# Altium PCB platka.PcbDoc
Units mm, origin at the board's own origin, x right, y up, seen from the top; angles counter-clockwise.
Board outline 155 x 100 mm, 2 copper layers (Top Layer, Bottom Layer), stack 1.98 mm thick; 51 components, 25 nets, 165 pads, 116 vias.
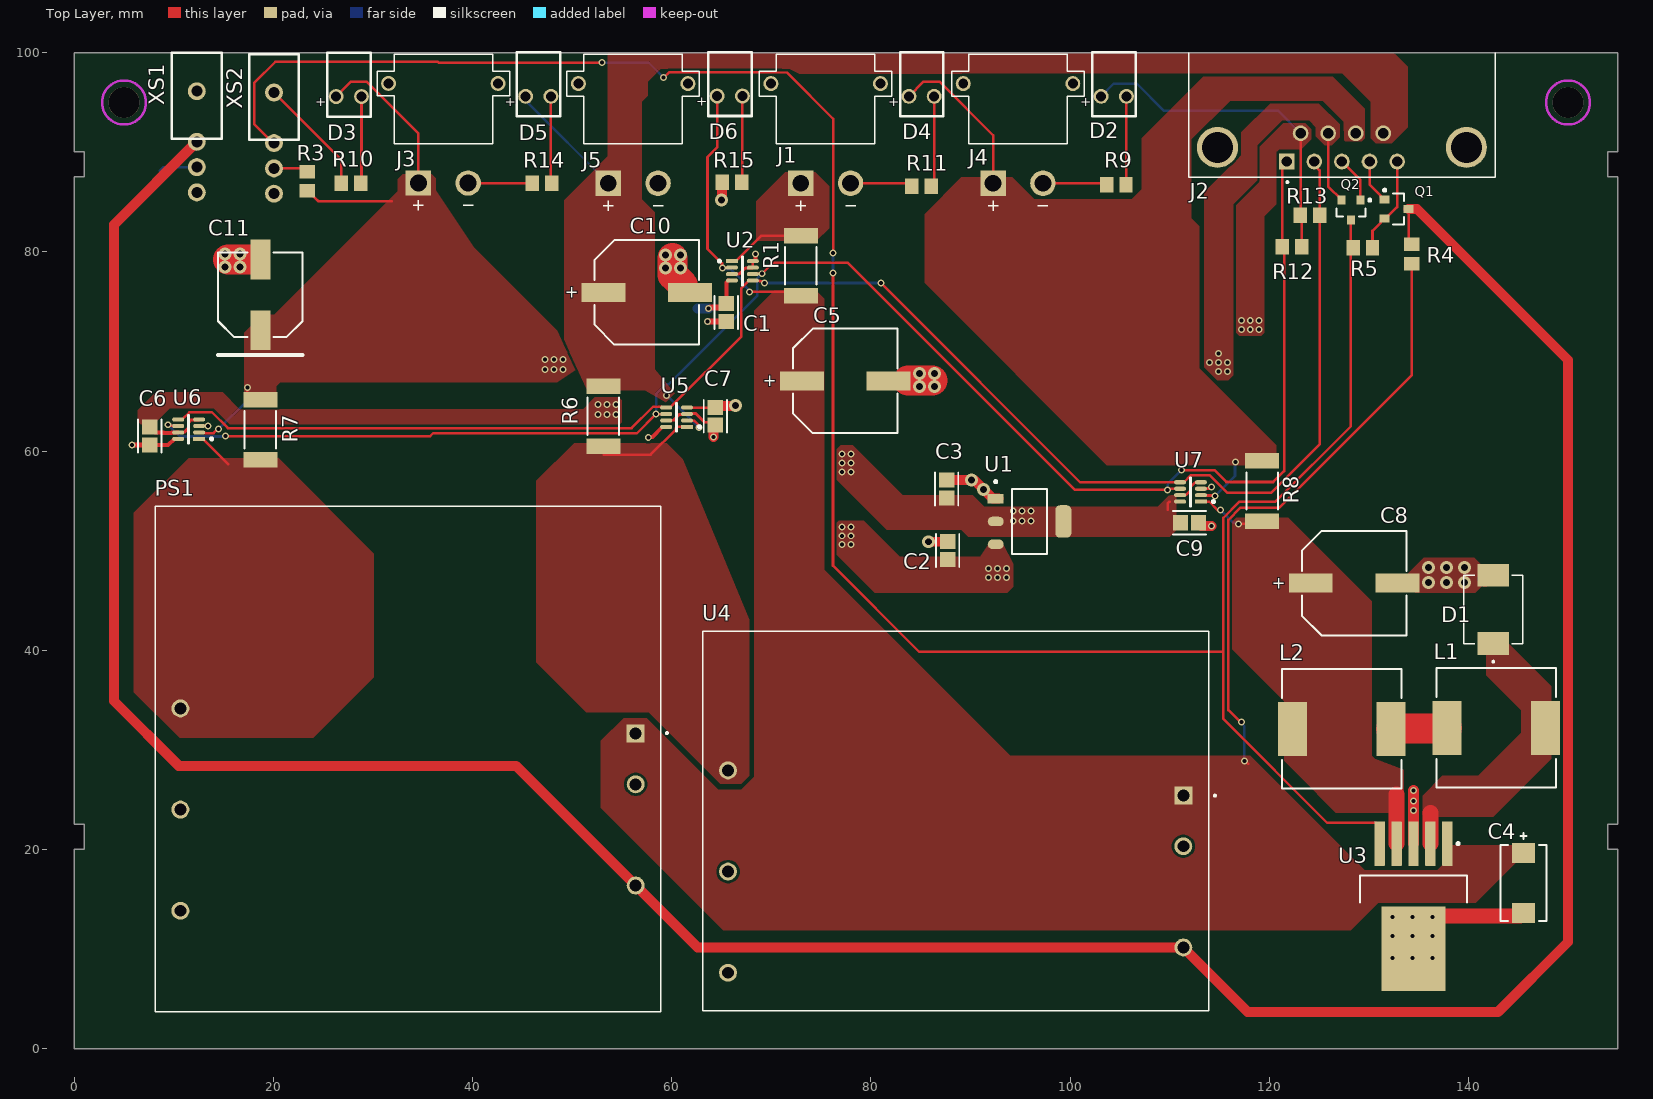
[diagram p0: Top Layer view]
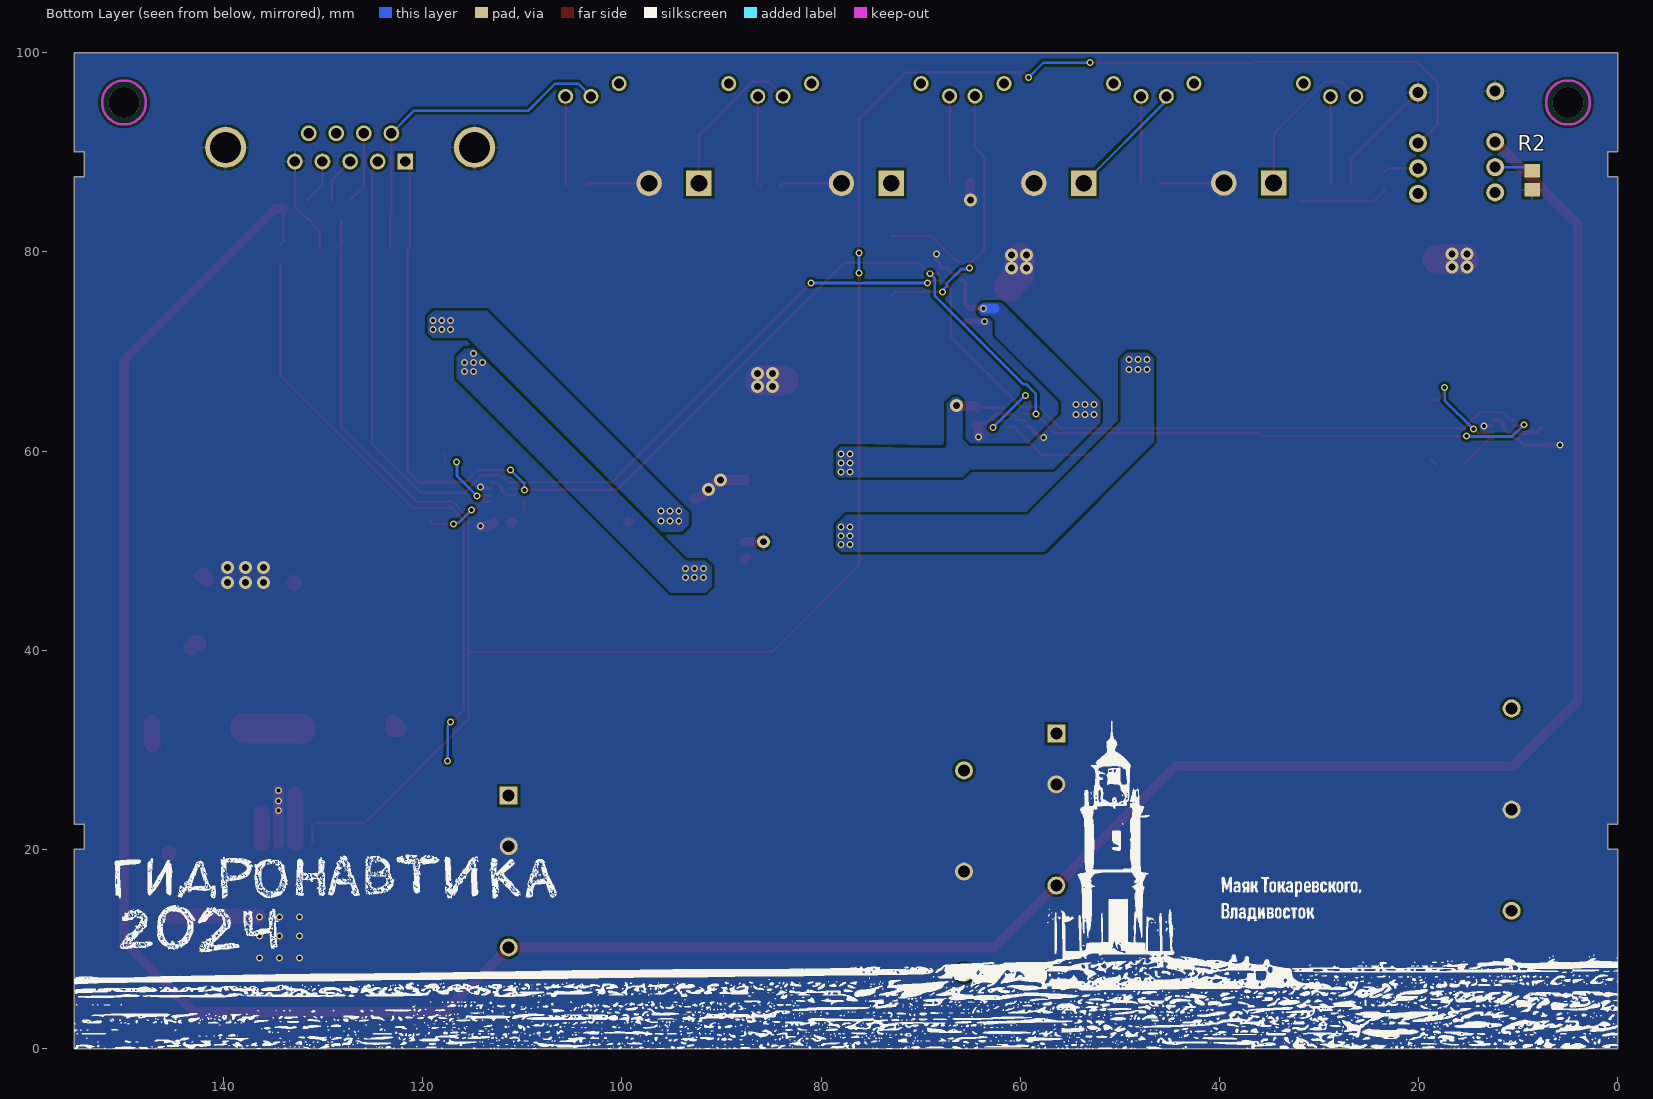
[diagram p1: Bottom Layer view, seen from below]
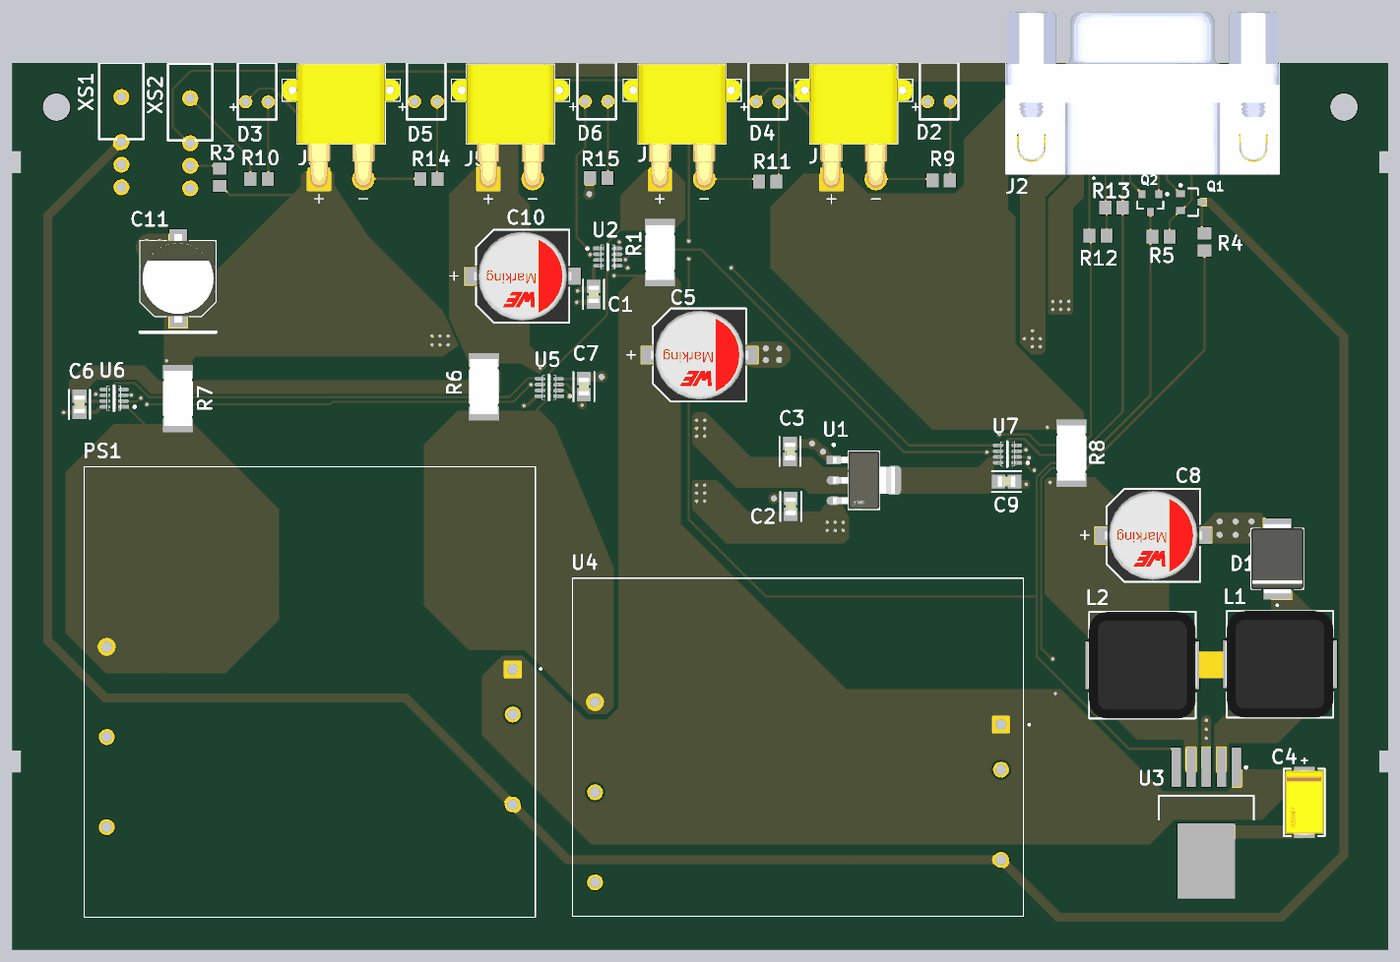
[diagram p2: 3D render of the assembled board from above, using the file's embedded part models]

## Layer stack, top to bottom
Top Solder: solder mask 0.01, Solder Resist, Dk 3.5
Top Layer: signal copper 0.035
Dielectric 1: dielectric 1.91, FR-4, Dk 4.8
Bottom Layer: signal copper 0.035
Bottom Solder: solder mask 0.01, Solder Resist, Dk 3.5

## Board outline
0.006,0.006 0.006,20.006 1.006,20.006 1.006,22.506 0.006,22.506 0.006,87.542 1.006,87.542 1.006,90.042 0.006,90.042 0.006,100.006 155.006,100.006 155.006,90.042 154.006,90.042 154.006,87.542 155.006,87.542 155.006,22.506 154.006,22.506 154.006,20.006 155.006,20.006 155.006,0.006

## Design rules (kind name [scope] priority, off if disabled: settings)
Clearance [All] p1: gap=0.254 ignorepadtopadclearanceinfootprint=FALSE
PlaneConnect PlaneConnect_1 [InNetClass('хуй')] p1: planeconnectstyle=Direct reliefexpansion=0.508 reliefentries=4 reliefconductorwidth=0.254 reliefairgap=0.254
PlaneConnect [All] p2: planeconnectstyle=Relief reliefexpansion=0.508 reliefentries=4 reliefconductorwidth=0.254 reliefairgap=0.254
PolygonConnect PolygonConnect_7 [HasFootprint('CONV_SDM30-12S5')] p1: connectstyle=Direct reliefconductorwidth=0.254 reliefentries=4 polygonreliefangle="90 Angle" airgapwidth=0.254
PolygonConnect PolygonConnect_6 [HasFootprint('CONV_NSD15-12S5')] p2: connectstyle=Direct reliefconductorwidth=0.254 reliefentries=4 polygonreliefangle="90 Angle" airgapwidth=0.254
PolygonConnect [InNetClass('хуй')] p3: connectstyle=Direct reliefconductorwidth=0.254 reliefentries=4 polygonreliefangle="90 Angle" airgapwidth=0.254
PolygonConnect PolygonConnect_4 [HasFootprint('WCAP-ASLL_D10H10.5')] p4: connectstyle=Direct reliefconductorwidth=0.254 reliefentries=4 polygonreliefangle="90 Angle" airgapwidth=0.254
PolygonConnect PolygonConnect_3 [HasFootprint('DIOM6859X262N')] p5: connectstyle=Direct reliefconductorwidth=0.254 reliefentries=4 polygonreliefangle="90 Angle" airgapwidth=0.254
PolygonConnect PolygonConnect_2 [HasFootprint('AMASS_XT30PW-M')] p6: thpad.connectstyle=Direct thpad.reliefconductorwidth=0.254 thpad.reliefentries=4 thpad.polygonreliefangle="90 Angle" thpad.airgapwidth=0.254 smdpad.connectstyle=Direct smdpad.reliefconductorwidth=0.254 smdpad.reliefentries=4 smdpad.polygonreliefangle="90 Angle" smdpad.airgapwidth=0.254 via.connectstyle=Relief via.reliefconductorwidth=0.254 via.reliefentries=4 via.polygonreliefangle="90 Angle" via.airgapwidth=0.254
PolygonConnect PolygonConnect_5 [InNet('GND')] p7: thpad.connectstyle=Relief thpad.reliefconductorwidth=0.254 thpad.reliefentries=4 thpad.polygonreliefangle="90 Angle" thpad.airgapwidth=0.254 smdpad.connectstyle=Relief smdpad.reliefconductorwidth=0.254 smdpad.reliefentries=4 smdpad.polygonreliefangle="90 Angle" smdpad.airgapwidth=0.254 via.connectstyle=Direct via.reliefconductorwidth=0.254 via.reliefentries=4 via.polygonreliefangle="90 Angle" via.airgapwidth=0.254
PolygonConnect PolygonConnect_1 [All] p8: connectstyle=Relief reliefconductorwidth=0.254 reliefentries=4 polygonreliefangle="90 Angle" airgapwidth=0.254
RoutingVias [All] p1: holewidth=0.4 width=0.7 viastyle="Through Hole" minholewidth=0.4 minwidth=0.7 maxholewidth=0.7 maxwidth=1.3
SolderMaskExpansion [All] p1: expansion=0.102 istentingtop=FALSE
SupplyNets "Schematic Supply Nets_6" [InNet('3.3v')] p1: voltage=0.000
SupplyNets "Schematic Supply Nets_5" [InNet('12 akkum do shunta')] p2: voltage=0.000
SupplyNets "Schematic Supply Nets_4" [InNet('5v lm')] p3: voltage=0.000
SupplyNets "Schematic Supply Nets_3" [InNet('GND')] p4: voltage=0.000
SupplyNets "Schematic Supply Nets_2" [InNet('12 akkum')] p5: voltage=0.000
SupplyNets "Schematic Supply Nets_1" [InNet('12v')] p6: voltage=0.000
SupplyNets "Schematic Supply Nets" [InNet('5v')] p7: voltage=0.000
Width [All] p1: maxlimit=3 minlimit=0.254 preferedwidth=1
29 further rules are at their usual default settings.

## Classes and differential pairs
net class хуй: 3.3v 5v "5v lm" "12 akkum" "12 akkum do shunta" 12v NetC8_1 NetD1_C NetPS1_6 NetR6_2

## Components (designator, comment, footprint, x,y, rotation, side; value= is the part's Value field where it differs from the comment)
C1 "C0805C104K5RACTU" FP-C0805C-DN-IPC_A 65.5,73.9 r90 top value=0.1мкФ
C2 "C0805C104K5RACTU" FP-C0805C-DN-IPC_A 87.7,50 r90 top value="10 мкФ"
C3 "C0805C104K5RACTU" FP-C0805C-DN-IPC_A 87.6,56.2 r90 top value="10 мкФ"
C4 "T495D107K016ATE125" FP-T495D107K016ATE125-MFG 145.542,16.637 r90 top
C5 "865060257010" 10*12.5 82.661,72.341 r180 top
C6 "C0805C104K5RACTU" FP-C0805C-DN-IPC_A 7.6,61.501 r90 top value=0.1мкФ
C7 "C0805C104K5RACTU" FP-C0805C-DN-IPC_A 64.4,63.5 r90 top value=0.1мкФ
C8 "865060257010" WCAP-ASLL_D10H10.5 128.524,46.736 r180 top
C9 "C0805C104K5RACTU" FP-C0805C-DN-IPC_A 112.001,52.8 r180 top value=0.1мкФ
C10 "865060257010" WCAP-ASLL_D10H10.5 57.506,75.946 r180 top
C11 "EEEFK1C471P" PNSC-FK-V-F_V 18.694,75.692 r90 top
D1 "SK56C" DIOM6859X262N 142.5,44.1 r90 top
D2 "Infrared, 1.5V, 30°" WL-TIRC_3mm 104.394,95.631 r0 top
D3 "Infrared, 1.5V, 30°" WL-TIRC_3mm 27.584,95.606 r0 top
D4 "Infrared, 1.5V, 30°" WL-TIRC_3mm 85.09,95.631 r0 top
D5 "Infrared, 1.5V, 30°" WL-TIRC_3mm 46.609,95.631 r0 top
D6 "Infrared, 1.5V, 30°" WL-TIRC_3mm 65.837,95.656 r0 top
J1 "XT30PW-M" AMASS_XT30PW-M 75.463,96.901 r0 top
J2 "L77SDE09SA4CH4F" AMPHENOL_L77SDE09SA4CH4F 127.307,90.5 r180 top
J3 "XT30PW-M" AMASS_XT30PW-M 37.069,96.919 r0 top
J4 "XT30PW-M" AMASS_XT30PW-M 94.781,96.901 r0 top
J5 "XT30PW-M" AMASS_XT30PW-M 56.134,96.901 r0 top
L1 "CDRH127/LDNP-470MC" SUMI-CDRH127_V 142.8,32.2 r270 top
L2 "CDRH127/LDNP-470MC" SUMI-CDRH127_V 127.3,32.1 r270 top
PS1 "SDM30-12S5" CONV_SDM30-12S5 33.528,29.083 r0 top locked
Q1 "PDTC114ET" ONSC-SC-59-3-318D-04_V 132.8,84.3 r0 top
Q2 "DTA114YKA" ONSC-SOT-23-3-318-08_V 128.2,84.2 r270 top
R1 "CRCW25121R00FKEG" FP-CRCW2512-e3-IPC_A 72.974,78.613 r90 top
R2 "ERJ-6ENF1001V" RESC2013X70X40ML20T20 8.6,87.2 r270 bottom
R3 "ERJ-6ENF1001V" RESC2013X70X40ML20T20 23.4,87.1 r270 top
R4 "ERJ-6ENF1001V" RESC2013X70X40ML20T20 134.3,79.8 r90 top
R5 "ERJ-6ENF1001V" RESC2013X70X40ML20T20 129.4,80.4 r180 top
R6 "CRCW25121R00FKEG" FP-CRCW2512-e3-IPC_A 53.137,63.5 r270 top
R7 "CRCW25121R00FKEG" FP-CRCW2512-e3-IPC_A 18.694,62.154 r270 top
R8 "CRCW25121R00FKEG" FP-CRCW2512-e3-IPC_A 119.3,56 r270 top
R9 "ERJ-6ENF1001V" RESC2013X70X40ML20T20 104.648,86.741 r0 top
R10 "ERJ-6ENF1001V" RESC2013X70X40ML20T20 27.813,86.919 r0 top
R11 "ERJ-6ENF1001V" RESC2013X70X40ML20T20 85.09,86.614 r0 top
R12 "ERJ-6ENF1001V" RESC2013X70X40ML20T20 122.3,80.5 r0 top
R13 "ERJ-6ENF1001V" RESC2013X70X40ML20T20 124.1,83.7 r180 top
R14 "ERJ-6ENF1001V" RESC2013X70X40ML20T20 46.965,86.919 r0 top
R15 "ERJ-6ENF1001V" RESC2013X70X40ML20T20 66.065,86.995 r0 top
U1 "ams1117" FP-ams1117-IPC_A 95.936,52.934 r0 top
U2 "INA219AIDCNR" FP-DCN0008A-IPC_C 67.1,78.1 r0 top
U3 "LM2576HVSX-5.0" KTT0005B_M 134.493,14.283 r270 top
U4 "NSD15-12S12" CONV_NSD15-12S5 88.519,22.86 r0 top
U5 "INA219AIDCNR" FP-DCN0008A-IPC_C 60.5,63.4 r180 top
U6 "INA219AIDCNR" FP-DCN0008A-IPC_C 11.5,62.2 r180 top
U7 "INA219AIDCNR" FP-DCN0008A-IPC_C 112.1,55.9 r180 top
XS1 "тумблер угловой" "тумблер угловой" 12.319,85.979 r90 top
XS2 "тумблер угловой" "тумблер угловой" 20.066,85.852 r90 top

## Footprints (in the part's own frame and the unit in brackets; to place one, negate y for a bottom-side part, rotate by r counter-clockwise, add the part's x,y. Pads: shape width x height; smd on the part's side, far side on the other; paste and mask are expansions set on the pad)
10*12.5 [mm]
  rect 4.4x1.9 smd: 1(9.585,5.285) 2(0.885,5.285)
  silkscreen extent -0.01,0.04 10.49,10.54, body extent -0.26,0.14 10.74,10.44, height 12.35
AMASS_XT30PW-M [mm]
  round 2.55 hole 1.7: N(2.5,-10)
  rect 2.55x2.55 / inner round 2.55 / far side rect 2.55x2.55 hole 1.7: P(-2.5,-10)
  round 1.508 hole 1: S1(5.5,0) S2(-5.5,0)
  silkscreen extent -6.65,-12.75 6.65,2.95, body extent -6.65,-11 6.65,2.95, height 5
AMPHENOL_L77SDE09SA4CH4F [mm]
  rect 1.575x1.575 / inner round 1.575 / far side rect 1.575x1.575 hole 1.05: 01(5.54,1.42)
  round 1.575 hole 1.05: 02(2.77,1.42) 03(0,1.42) 04(-2.77,1.42) 05(-5.54,1.42) 06(4.155,-1.42) 07(1.385,-1.42) 08(-1.385,-1.42) 09(-4.155,-1.42)
  round 4.116 hole 3.1: SH1(-12.495,0) SH2(12.495,0)
  silkscreen extent -15.41,-9.5 15.41,3.6, body extent -15.4,-15.2 15.4,3.1, height 12.55
CONV_NSD15-12S5 [mm]
  rect 1.8x1.8 hole 1.2: 1(22.86,2.54)
  round 1.8 hole 1.2: 2(22.86,-2.54) 4(22.86,-12.7) 6(-22.86,5.08) 7(-22.86,-5.08) 8(-22.86,-15.24)
  silkscreen extent -25.4,-19.05 26.13,19.05, body extent -25.4,-19.05 25.4,19.05, height 9.82
CONV_SDM30-12S5 [mm]
  rect 1.8x1.8 hole 1.2: 1(22.86,2.54)
  round 1.8 hole 1.2: 2(22.86,-2.54) 4(22.86,-12.7) 6(-22.86,5.08) 7(-22.86,-5.08) 8(-22.86,-15.24)
  silkscreen extent -25.4,-25.4 26.1,25.4, body extent -25.53,-25.4 25.4,25.4, height 16
DIOM6859X262N [mm]
  rect 2.29x3.12 smd: A(3.43,0) C(-3.43,0)
  silkscreen extent -5.35,-2.95 3.43,2.95, body extent -3.97,-2.95 3.97,2.95, height 2.62
FP-ams1117-IPC_A [mm]
  rect 1.604x0.952 smd paste+0 mask+0: 1(-3.395,2.29)
  rrect100% 1.604x0.952 smd paste+0 mask+0: 2(-3.395,0) 3(-3.395,-2.29)
  rrect59% 1.604x3.262 smd paste+0 mask+0: 4(3.395,0)
  silkscreen extent -3.52,-3.25 1.75,4.12, body extent -4.7,-3.75 4.7,3.75, height 0.25
FP-C0805C-DN-IPC_A [mm]
  rect 1.505x1.556 smd paste+0 mask+0: 1(-0.901,0) 2(0.901,0)
  silkscreen extent -1.65,-1.18 1.65,1.18, body extent -2.15,-1.28 2.15,1.28, height 0.25
FP-CRCW2512-e3-IPC_A [mm]
  rect 1.555x3.408 smd paste+0 mask+0: 1(-3.026,0) 2(3.026,0)
  silkscreen extent -1.87,-1.58 1.87,1.58, body extent -4.3,-2.2 4.3,2.2, height 0.25
FP-DCN0008A-IPC_C [mm]
  rect 1.205x0.415 smd paste+0 mask+0: 1(-1.05,0.975)
  rrect100% 1.205x0.415 smd paste+0 mask+0: 2(-1.05,0.325) 3(-1.05,-0.325) 4(-1.05,-0.975) 5(1.05,-0.975) 6(1.05,-0.325) 7(1.05,0.325) 8(1.05,0.975)
  silkscreen extent -2.42,-1.45 0.05,1.45, body extent -1.75,-1.55 1.75,1.55, height 0.25
FP-T495D107K016ATE125-MFG [mm]
  rect 1.99x2.33 smd paste+0 mask+0: 1(-3.01,0) 2(3.01,0)
  silkscreen extent -3.8,-2.3 5,2.3, body extent -4.11,-2.4 4.11,2.4, height 0.25
KTT0005B_M [mm] "DPAK, 5-Leads, Body 10.65x9.65mm, Pitch 1.7mm, IPC Low Density"
  rrect10% 4.45x1.05 smd: 1(-6.3,3.4) 2(-6.3,1.7) 3(-6.3,0) 4(-6.3,-1.7) 5(-6.3,-3.4)
  rrect2% 8.5x6.45 smd: 6(4.25,0)
  silkscreen extent -6.42,-5.35 -0.4,5.35, body extent -3.1,-5.32 6.55,5.33, height 4.83
ONSC-SC-59-3-318D-04_V [mm] "SOT23, 3-Leads, Body 2.9x1.5mm, Pitch 0.95mm"
  rect 1x0.8 smd: 1(-1.2,0.95) 2(-1.2,-0.95) 3(1.2,0)
  silkscreen extent -1.32,-1.55 0.75,2.02, body extent -0.75,-1.45 0.75,1.45, height 1.3
ONSC-SOT-23-3-318-08_V [mm] "SOT23, 3-Leads, Body 2.92x1.3mm, Pitch 0.95mm"
  rect 0.9x0.8 smd: 1(-1,0.95) 2(-1,-0.95) 3(1,0)
  silkscreen extent -1.12,-1.46 0.65,2.03, body extent -0.65,-1.46 0.65,1.46, height 1.11
PNSC-FK-V-F_V [mm] "CAPAE, 2-Leads, Body 8.50x8.50mm"
  rect 4x2 smd: 1(-3.55,0) 2(3.55,0)
  silkscreen extent -6.05,-4.25 4.25,4.25, body extent -5,-4.25 5,4.25, height 10.5
RESC2013X70X40ML20T20 [mm] "Chip Resistor, 2-Leads, Body 2.00x1.25mm, IPC Low Density"
  rect 1.35x1.55 smd: 1(-0.975,0) 2(0.975,0)
  body extent -1.1,-0.72 1.1,0.72, height 0.7
SUMI-CDRH127_V [mm] "SMD, 2-Leads, Body 12x12mm"
  rect 5.4x2.9 smd: 1(0,4.95) 2(0,-4.95)
  silkscreen extent -6,-6 6,6, body extent -6,-6.1 6,6.1, height 8.4
WCAP-ASLL_D10H10.5 [mm] "Aluminium Electrolytic V-Chip SMT Capacitors, 10x10.5mm"
  rect 4.4x1.9 smd: 1(4.35,0) 2(-4.35,0)
  silkscreen extent -5.25,-5.25 5.25,5.25, body extent -5.5,-5.15 5.5,5.15, height 10.5
WL-TIRC_3mm [mm]
  round 1.5 hole 1: 1(-1.27,0) 2(1.27,0)
  silkscreen extent -2.16,-2.01 2.2,4.4, body extent -2.16,-2 2.16,6.89, height 7.35
"тумблер угловой" [mm] "SMTS-102-2C4"
  round 1.8 hole 1.1: 0(10.16,0) 1(5.08,0) 2(2.54,0) 3(0,0)
  silkscreen extent 5.41,-2.5 14.01,2.5, body extent -0.25,-2.54 25.07,2.54, height 8.3

## Part data
C1 C6 C7 C9: library part CMP-2007-00279-2, "CAP CER 0.1UF 50V X7R 0805", Capacitance="0.10 μF", Manufacturer=KEMET, Package=C0805C-DN, Temperature="-55°C to +125°C", Temperature Characteristic=X7R, Temperature Coefficient=30ppm/°C, Temperature Range High=+125°C, Temperature Range Low=-55°C, Tolerance=0.1, Voltage Rating="50 V", Automotive=No, Category=Cap, ComponentLink2Description=Datasheet, ComponentLink2URL=https://content.kemet.com/datasheets/KEM_C1003_C0G_SMD.pdf, Device Class L1="Passive Components", Device Class L2=Capacitors, Device Class L3="Ceramic Capacitors", Digikey Description="CAP CER 0.1UF 50V X7R 0805", Height=0.88mm, Ipc Land Pattern Name=CAPC200125X78, Lead Free=Yes, Manufacturer Part Number=C0805C104K5RACTU, Material=Ceramic, Mouser Description="Cap Ceramic 0.1uF 50V X7R 10% SMD 2.0 x 1.2 mm 125 C Paper T/R", Octopart=https://octopart.com/c0805c104k5ractu-kemet-143926, RoHS=TRUE
C2 C3: library part CMP-2007-00279-2, "CAP CER 10UF 50V X7R 0805", Capacitance="0.10 μF", Manufacturer=KEMET, Package=C0805C-DN, Temperature="-55°C to +125°C", Temperature Characteristic=X7R, Temperature Coefficient=30ppm/°C, Temperature Range High=+125°C, Temperature Range Low=-55°C, Tolerance=0.1, Voltage Rating="50 V", Automotive=No, Category=Cap, ComponentLink2Description=Datasheet, ComponentLink2URL=https://content.kemet.com/datasheets/KEM_C1003_C0G_SMD.pdf, Device Class L1="Passive Components", Device Class L2=Capacitors, Device Class L3="Ceramic Capacitors", Digikey Description="CAP CER 0.1UF 50V X7R 0805", Height=0.88mm, Ipc Land Pattern Name=CAPC200125X78, Lead Free=Yes, Manufacturer Part Number=C0805C104K5RACTU, Material=Ceramic, Mouser Description="Cap Ceramic 0.1uF 50V X7R 10% SMD 2.0 x 1.2 mm 125 C Paper T/R", Octopart=https://octopart.com/c0805c104k5ractu-kemet-143926, RoHS=TRUE
C4: library part CMP-2000-07207-2, "CAP TANT 100UF 10% 16V 2917", Capacitance=100uF, Case Code (Imperial)=2917, Case Code (Metric)=7343, Dielectric Material=Tantalum, ESR (Equivalent Series Resistance)=125mR, Max Operating Temperature=125°C, Min Operating Temperature=-55°C, Package Quantity=1, Tolerance=10%, Voltage=16V, Case/Package=2917, Construction=Flat, Depth=4.3mm, Dissipation Factor=8%, Failure Rate=0.001%, Features="General Purpose", Height=2.8mm, Height - Seated (Max)=0.122inch, Length=7.3mm, Life (Hours)=2000Hour, Mount="Surface Mount", Number of Pins=2, Packaging="Tape and Reel", Polarity=Polar, Radiation Hardening=No, REACH SVHC="No SVHC", RoHS Compliant=Yes, Series=T495, Termination=SMD/SMT, Voltage Rating=16V, Voltage Rating (DC)=16V, Weight=0.023634oz, Width=0.169inch
C5: library part konder, "865060257010 WCAP-ASLL Aluminum Electrolytic Capacitors 1000uf 25V", Capacitance=1mF, Case/Package=Radial, ESR (Equivalent Series Resistance)=99.9268mΩ, Insulation Resistance=100kΩ, Leakage Current=100µA, Max Operating Temperature=105°C, Min Operating Temperature=-55°C, Ripple Current=690mA, Tolerance=20%, Voltage Rating=25V, Voltage Rating (DC)=10V, Diameter=10mm, Height=10.5mm, Height - Seated (Max)=10.4902mm, Impedance=90mΩ, Length=12.5mm, Life (Hours)=5000hours, Mount="Surface Mount", NexarPartId=54202466, Polarity=Polar, REACH SVHC=Unknown, Ripple Current (AC)=690mA, RoHS=Compliant
C8: library part CMP-03913-54202466-2, "865060257010 WCAP-ASLL Aluminum Electrolytic Capacitors 1000uf 10v", Capacitance=1000uF, Case/Package=Radial, ESR (Equivalent Series Resistance)=99.9268mΩ, Insulation Resistance=100kΩ, Leakage Current=100µA, Max Operating Temperature=105°C, Min Operating Temperature=-55°C, Ripple Current=690mA, Tolerance=20%, Voltage Rating=10V, Diameter=10mm, Height=10.5mm, Height - Seated (Max)=10.4902mm, Impedance=90mΩ, Length=10.5mm, Life (Hours)=5000hours, Mount="Surface Mount", NexarPartId=54202466, Polarity=Polar, REACH SVHC=Unknown, Ripple Current (AC)=690mA, RoHS=Compliant, Voltage Rating (DC)=10V
C10: library part CMP-03913-54202466-2, "865060257010 WCAP-ASLL Aluminum Electrolytic Capacitors 470uf 16v", Capacitance=470uF, Case/Package=Radial, ESR (Equivalent Series Resistance)=99.9268mΩ, Insulation Resistance=100kΩ, Leakage Current=100µA, Max Operating Temperature=105°C, Min Operating Temperature=-55°C, Ripple Current=690mA, Tolerance=20%, Voltage Rating=16V, Voltage Rating (DC)=10V, Diameter=10mm, Height=10.5mm, Height - Seated (Max)=10.4902mm, Impedance=90mΩ, Length=10.5mm, Life (Hours)=5000hours, Mount="Surface Mount", NexarPartId=54202466, Polarity=Polar, REACH SVHC=Unknown, Ripple Current (AC)=690mA, RoHS=Compliant